# Altium PCB PCB1.PcbDoc (part 3 of 3)
Units mil, origin at the board's own origin, x right, y up, seen from the top; angles counter-clockwise.
Board outline 2125.99 x 1496.06 mil, 6 copper layers (Layer 1, Layer 2, Layer 3, Layer 4, Layer 5, Layer 6), stack 32.112 mil thick; 147 components, 103 nets, 596 pads, 900 vias.
Unrouted connection lines stored in the file: 81.
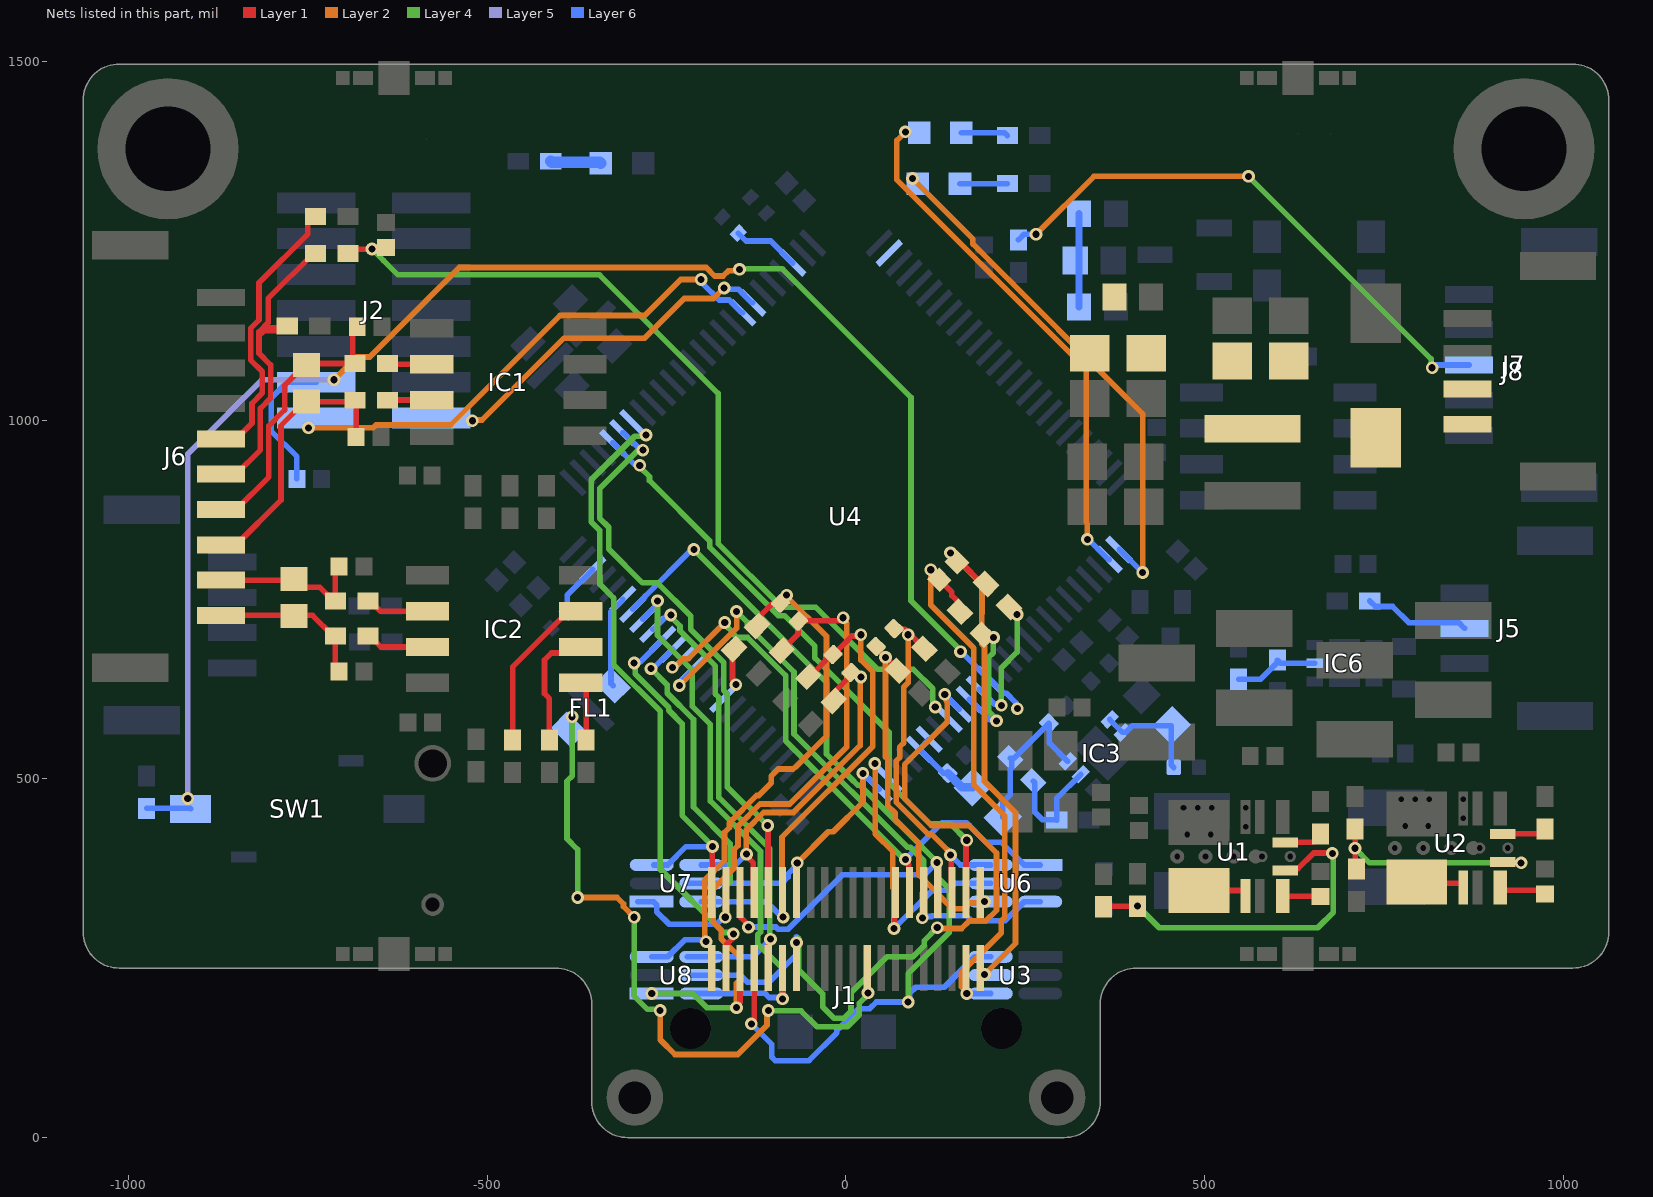
[diagram p7: the nets of this part, all layers, seen from the top]

## Via types
v1: diameter 17.72, hole 11.81, Layer 1 to Layer 6, tented both sides, 337 vias
v2: diameter 11.81, hole 7.87, Layer 1 to Layer 6, tented both sides, 319 vias
v3: diameter 17.72, hole 9.84, Layer 1 to Layer 6, tented both sides, 244 vias

## Nets (pads, with @x,y where several pads share a name; then routed paths per layer and width w, separated by ;. In a path a pad name is that pad's centre, name@x,y a point inside that pad or via, vN(x,y) a via of type N, cw(c..) or ccw(c..) an arc to the next point about the centre after c; other vN are vias at no path point) (continued)
IW-: R32.2 U4.35 | length 52.6
  Layer 1 w7.87: R32.2@-156,681.01 -158.08,678.93 -158.08,638.34 -153.54,633.8 v3(-153.54,631.14)
LED1: D1.1 U4.1 | length 728.3
  Layer 2 w7.87: v3(92.54,1336.63) 176.82,1252.36 176.82,1245.4 413.39,1008.83 v3(413.39,787.4)
  Layer 6 w7.87: U4.1@380.58,819.63 380.87,819.63 413.1,787.4 v3(413.39,787.4)
LED2: D2.1 U4.2 | length 724.7
  Layer 2 w7.87: v3(82.68,1401.57) 70.87,1389.76 70.87,1334.65 334.65,1070.87 334.65,857.28 336.27,855.66 v3(336.27,833.65)
  Layer 6 w7.87: v3(336.27,833.65) 337.92,833.65 365.86,805.71 U4.2@366.66,805.71
NetC1_2: C1.2 J6.8 R1.2 R3.2 | length 383.2
  Layer 1 w7.87: J6.8@-871.32,826.13 -849.67,826.13 -787.4,888.4 -787.4,992.13 -753.94,1025.59 R3.2@-751.97,1025.59 -686.02,1025.59 R1.2@-684.06,1027.56 -682.68,1026.18 C1.2@-682.68,976.38
NetC3_1: C3.1 J6.7 R3.1 R6.2 | length 387.7
  Layer 1 w7.87: J6.7@-871.32,875.35 -849.67,875.35 -804.26,920.75 -804.26,991.97 -782.35,1013.88 -782.35,1048.36 -753.94,1076.77 R3.1@-751.97,1076.77 ; R3.1@-751.97,1078.74 R6.2@-684.06,1078.74 -687.35,1082.03 -687.35,1123.68 C3.1@-681.1,1129.92
NetC4_2: C4.2 J6.10 R7.2 R36.2 | length 223.1
  Layer 1 w7.87: J6.10@-871.32,727.71 -743.46,727.71 -714.57,698.82 R7.2@-711.61,698.82 -711.61,654.92 C4.2@-706.3,649.61
NetC6_1: C6.1 J6.9 R12.2 R36.1 | length 222
  Layer 1 w7.87: J6.9@-871.32,776.92 R36.1@-769.44,776.92 ; R36.1@-769.44,778.18 -758,766.73 -733.27,766.73 -714.57,748.03 R12.2@-711.61,748.03 -711.61,790.31 C6.1@-706.3,795.62
NetC12_2: C12.2 U1.8 | length 48.2
  Layer 1 w7.87: U1.8@608.55,336.55 C12.2@656.75,336.55
NetC18_2: C18.2 U2.8 | length 76.1
  Layer 1 w7.87: U2.8@911.89,348.43 911.89,344.88 C18.2@968.9,344.88 ; C18.2@968.9,344.88 C18.2@974.41,339.37 C18.2@968.9,344.88
NetC24_2: C24.2 U4.73 | length 93.2
  Layer 6 w7.87: C24.2@-150.28,1260.52 -139.15,1249.38 -104.85,1249.38 U4.73@-74.35,1218.88
NetC25_2: C25.2 U4.48 | length 75.7
  Layer 6 w7.87: C25.2@-388.47,732.02 -389.86,733.41 -389.86,738.98 -388.47,740.37 -388.47,756.06 U4.48@-352.74,791.79
NetC37_1: C37.1 R25.1 R26.2 | length 129.9
  Layer 6 w10: R26.2@324.8,1157.48 R25.1@324.8,1287.4
NetC46_1: C46.1 C47.1 R43.2
NetC50_2: C50.2 C51.2 D4.1 J8.1 J8.2 L1.2
NetC52_2: C52.2 FB1.2 IC3.1 IC3.2 | length 157
  Layer 6 w7.87: IC3.1@367.43,582.76 IC3.2@385.53,564.66 389.71,564.66 399.14,574.1 453.25,574.1 453.25,519.21 C52.2@456.69,515.78
NetC53_2: C53.2 FB2.1 IC3.6 R37.1 | length 225.2
  Layer 6 w7.87: FB2.1@218.41,446.47 218.41,467.34 229.06,478 229.06,513.38 231.15,515.47 231.15,526.6 R37.1@229.06,528.69 233.98,528.69 C53.2@282.72,577.43 ; C53.2@283.41,576.73 283.41,549.86 IC3.6@308.97,524.3
NetD1_2: D1.2 R20.2 | length 65.9
  Layer 6 w7.87: D1.2@158.91,1329.39 R20.2@224.85,1329.39
NetD2_2: D2.2 R21.2 | length 65.6
  Layer 6 w7.87: D2.2@160.87,1400.25 220.91,1400.25 R21.2@224.85,1396.31
NetD7_2: D7.2 R22.2 | length 70.6
  Layer 6 w15.75: R22.2@-411.41,1360.59 -410.13,1359.31 -343.11,1359.31 D7.2@-341.83,1358.02
NetIC1_6: IC1.6 R6.1 | length 61.9
  Layer 1 w7.87: R6.1@-638.78,1078.74 -637.96,1077.92 IC1.6@-577.26,1077.92
NetIC1_7: IC1.7 R1.1 | length 61.7
  Layer 1 w7.87: R1.1@-638.78,1027.56 -638.42,1027.92 IC1.7@-577.26,1027.92
NetIC2_1: IC2.1 R8.1 | length 82.6
  Layer 1 w7.87: IC2.1@-369.61,633.66 -362.2,626.26 R8.1@-362.2,554.13
NetIC2_2: IC2.2 R9.1 | length 172.4
  Layer 1 w7.87: R9.1@-413.39,554.13 -413.39,611.87 -420.2,618.68 -420.2,665.59 -410.4,675.39 -395.69,675.39 -387.42,683.66 IC2.2@-369.61,683.66
NetIC2_3: IC2.3 R10.1 | length 229
  Layer 1 w7.87: R10.1@-464.57,554.13 -464.57,655.93 -386.83,733.66 IC2.3@-369.61,733.66
NetIC2_6: IC2.6 R12.1 | length 89.1
  Layer 1 w7.87: R12.1@-666.34,748.03 -663.39,748.03 -649.02,733.66 IC2.6@-583.15,733.66
NetIC2_7: IC2.7 R7.1 | length 89.5
  Layer 1 w7.87: R7.1@-666.34,698.82 -663.39,698.82 -648.23,683.66 IC2.7@-583.15,683.66
NetIC3_5: IC3.5 R37.2 R38.1 | length 157
  Layer 6 w7.87: R37.2@261.08,496.68 263.16,494.59 263.16,453.37 273.62,442.91 292.93,442.91 R38.1@293.57,442.28 293.57,472.71 IC3.5@327.07,506.2
NetIC6_5: IC6.5 R39.2 R44.1 | length 120.5
  Layer 6 w7.87: R39.2@547.24,638.78 577.76,638.78 601.38,662.4 R44.1@601.38,665.35 605.68,661.06 IC6.5@653.26,661.06
NetJ5_2: J5.2 R29.2 | length 148.1
  Layer 6 w7.87: R29.2@729.93,748.02 737.79,740.16 761.81,740.16 784.45,717.52 854.24,717.52 J5.2@862.11,709.65
NetJ6_5: J6.5 R41.2 | length 392.2
  Layer 1 w7.87: J6.5@-871.32,973.77 -849.67,973.77 -827.89,995.56 -827.89,1023.26 -813.59,1037.56 -813.59,1067.45 -829.76,1083.62 -829.76,1127.67 -817.95,1139.49 -817.95,1191.21 -750,1259.17 -750,1275.59 -742.13,1283.46 R41.2@-739.17,1283.46
NetJ6_6: J6.6 R40.2 R?.1 | length 433.3
  Layer 1 w7.87: J6.6@-871.32,924.56 -849.67,924.56 -816.08,958.15 -816.08,1016.1 -801.78,1030.4 -801.78,1076.89 -817.95,1093.06 -817.95,1122.78 -817.34,1123.4 ; -815.94,1122.01 -817.34,1123.4 ; R40.2@-739.17,1232.28 -742.13,1232.28 -805.27,1169.14 -805.27,1135.47 -817.34,1123.4
  Layer 1 w11.81: -815.94,1122.01 -811.17,1126.78 -783.07,1126.78 R?.1@-778.69,1131.15
NetJ7_3: J7.3 R42.2 | length 783.1
  Layer 4 w7.87: v3(561.02,1339.57) 815.42,1085.17 815.42,1074.34 v3(816.93,1072.83)
  Layer 2 w7.87: v3(264.76,1258.86) 345.47,1339.57 v3(561.02,1339.57)
  Layer 6 w7.87: R42.2@240.16,1250.98 248.03,1258.86 v3(264.76,1258.86) ; v3(816.93,1072.83) 819.06,1072.83 823,1076.77 J7.3@868.11,1076.77
NetR13_2: R13.2 R15.1 U1.9 | length 501.2
  Layer 1 w7.87: R15.1@358.61,321.77 359.28,322.43 v3(406.52,322.43) ; U1.9@612.01,371.98 614.96,374.94 630.09,374.94 651.83,396.67 677.18,396.67 v3(677.69,396.16)
  Layer 4 w7.87: v3(406.52,322.43) 436.63,292.32 657.48,292.32 679.17,314.01 679.17,394.69 v3(677.69,396.16)
NetR14_1: R14.1 U1.11 | length 56.1
  Layer 1 w7.87: U1.11@612.01,411.35 649.95,411.35 650.74,412.15 653.7,412.15 661.57,420.02 R14.1@661.57,422.98
NetR16_2: R16.2 R18.1 U2.9 | length 296.2
  Layer 1 w7.87: R16.2@709.48,430.1 v3(709.48,403.19) 709.48,376.28 R18.1@711.27,374.49
  Layer 4 w7.87: v3(709.48,403.19) 729.79,382.87 v3(940.94,382.87)
NetR17_1: R17.1 U2.11 | length 61.9
  Layer 1 w7.87: U2.11@915.35,423.23 967.52,423.23 R17.1@974.41,430.12
NetU1_5: U1.5 U1.6 | length 71.1
  Layer 1 w7.87: U1.5@491.93,344.43 553.94,344.43 556.89,341.47 U1.6@556.89,336.55
NetU2_5: U2.5 U2.6 | length 70
  Layer 1 w7.87: U2.5@795.28,356.3 797.24,354.33 857.28,354.33 860.24,351.38 U2.6@860.24,348.43
OE: J1.07 J1.34 J1.35 U3.6 U4.44 | length 1791.9
  Layer 1 w7.87: J1.35@-147.64,341.54 -146.57,340.47 -146.57,306.67 -135.88,295.97 v3(-135.88,293.31) ; v3(-131.89,158.46) -131.89,161.13 -127.95,165.07 J1.34@-127.95,236.22
  Layer 4 w7.87: v3(-212.09,819.41) -27.09,634.41 -27.09,534.49 6.69,500.71 16.5,490.91 19.96,490.91 126.58,384.28 v3(126.58,383.47) 127.45,382.61 127.45,362.8 143.92,346.33 143.92,285.61 86.61,228.31 v3(86.61,188.98)
  Layer 6 w7.87: U4.44@-297.06,736.11 -297.06,736.91 -279.53,754.44 -279.53,754.96 -216.96,817.53 -213.97,817.53 v3(-212.09,819.41) ; v3(-135.88,293.31) -135.71,293.48 -97.64,293.48 -94.53,290.37 -80.67,290.37 -42.91,328.13 -42.91,328.38 -5.15,366.14 109.25,366.14 v3(126.58,383.47) ; v3(-131.89,158.46) -103.35,129.92 -103.35,111.9 -98.73,107.28 -51.46,107.28 -12.8,145.95 -12.8,149.32 17.41,179.53 32.87,179.53 42.32,188.98 v3(86.61,188.98) 88.43,190.8 88.43,200.64 97.24,209.45 136.85,209.45 179.34,251.94 U3.6@201.7,251.94
P\G\: FL1.1 U4.45 | length 128.1
  Layer 6 w7.87: FL1.1@-324.8,629.92 -327.59,632.71 -327.59,732.63 -310.98,749.24 U4.45@-310.98,750.03
P\G\_S: FL1.3 J1.18 | length 923.1
  Layer 4 w7.87: v3(-381.55,586.45) -381.55,504.04 -388.83,496.75 -388.83,416.47 -374.02,401.66 v3(-374.02,334.65) ; v3(-295.28,307.09) -295.28,197.22 -276.7,178.64 -260.44,178.64 v3(-258.94,177.13) ; v3(-108.27,177.17) -107.68,176.57 -62.54,176.57 -40.49,154.53 1.98,154.53 18.7,171.25 18.7,187.31 30.51,199.12 v3(30.51,201.78)
  Layer 2 w7.87: v3(-374.02,334.65) -318.9,334.65 -310.01,325.76 -310.01,321.82 v3(-295.28,307.09) ; v3(-258.94,177.13) -258.94,136.24 -238.44,115.75 -150.94,115.75 -110.15,156.54 -110.15,175.28 v3(-108.27,177.17)
R\S\T\: C35.2 J2.12 R19.1 SW1.2 U4.14 | length 2438.3
  Layer 4 w7.87: v3(-148.33,1209.93) -147.64,1210.63 -88.58,1210.63 90.55,1031.5 90.55,748.03 159.45,679.13 v3(159.45,677.17)
  Layer 2 w7.87: v3(-713.58,1056.1) -681.89,1087.8 -663.68,1087.8 -538.88,1212.6 -194.84,1212.6 -183.03,1200.79 -171.22,1200.79 -163.96,1208.05 -150.22,1208.05 v3(-148.33,1209.93)
  Layer 5 w7.87: v3(-917.32,472.44) -917.32,952.76 -813.98,1056.1 v3(-713.58,1056.1)
  Layer 6 w7.87: R19.1@-974.65,458.73 -913.93,458.73 SW1.2@-913.28,458.08 ; C35.2@-765.32,918.06 -765.32,949.06 -801.12,984.86 -801.12,1030.25 -778.68,1052.69 J2.12@-738.33,1052.69 ; v3(159.45,677.17) 160.34,677.17 198.83,638.68 200.42,638.68 219.98,619.12 223.48,619.12 236.87,605.74 236.87,599.68 v3(238.75,597.8)
RGB: U4.77
TEMP1: J1.13 U4.24 U6.5 | length 453
  Layer 1 w7.87: v3(66.93,291.34) 67.91,292.32 67.91,340.55 J1.13@68.9,341.54
  Layer 2 w7.87: v3(40.14,521.41) 40.53,521.02 40.53,423.4 65.34,398.59 65.34,348.03 66.93,346.44 v3(66.93,291.34)
  Layer 6 w7.87: v3(66.93,291.34) 120.11,344.52 142.3,344.52 152.11,354.33 U6.5@201.7,354.33
TEMP2: J1.27 U4.25 U7.5 | length 368.3
  Layer 2 w7.87: v3(-67.91,382.87) -24.64,426.15 -17.77,426.15 23.62,467.54 23.62,507.44 v3(23.43,507.64)
  Layer 6 w7.87: U7.5@-221.39,354.33 -89.59,354.33 -80.93,362.99 -80.93,367.19 -67.91,380.21 v3(-67.91,382.87) ; v3(23.43,507.64) 23.93,507.64 46.01,485.56 U4.25@46.51,485.56
TEMP3: J1.28 U4.17 U8.5 | length 1077.9
  Layer 4 w7.87: v3@-66.12,277.34 -66.12,233.88 -32.48,200.24 -32.48,182.05 -16.77,166.34 -2.91,166.34 6.89,176.14 6.89,201.82 57.04,251.97 93.53,251.97 108.82,267.25 108.82,274.17 v3(127.19,292.55)
  Layer 2 w7.87: v3(127.19,292.55) 128.4,291.34 161.13,291.34 171.96,302.17 195.23,302.17 209.65,316.58 209.65,396.69 171.41,434.93 119.17,434.93 81.69,472.4 81.69,519.7 141.13,579.13 141.13,606.92 139.48,608.57 139.48,615.85 v3(137.59,617.73)
  Layer 6 w7.87: U8.5@-221.39,226.35 -147.3,226.35 -137.49,216.54 -107.28,216.54 -68.9,254.92 v3@-68.9,280.12 ; v3(137.59,617.73) 137.59,617.46 157.87,597.19 U4.17@157.87,596.92
  other v3: -68.9,271.65
TEMP4: C44.2 R40.1 U4.18 | length 1240.8
  Layer 1 w7.87: R40.1@-693.9,1232.28 -687.99,1238.19 -643.59,1238.19 C44.2@-641.24,1240.54
  Layer 4 w7.87: v3(-660.43,1238.19) -644.51,1222.26 -624.56,1202.31 -343.43,1202.31 -178.2,1037.08 -178.2,827.76 -89.61,739.17 -42.36,739.17 44.25,652.56 93.94,652.56 120.86,625.63 120.86,606.19 124.39,602.65 v3(124.39,599.99)
U+: C42.2 J1.05 R24.2 U6.6 | length 517
  Layer 1 w7.87: C42.2@67.06,709.35 67.76,708.65 82.07,708.65 R24.2@109.39,681.33 ; v3(145.67,393.7) 146.65,392.72 146.65,342.52 J1.05@147.64,341.54
  Layer 2 w7.87: v3(86.61,700.79) 86.61,633.9 80.36,627.65 80.36,549.82 74.8,544.26 74.8,529.51 69.88,524.59 69.88,467.51 114.27,423.12 119.25,423.12 140.75,401.62 140.75,401.29 145.67,396.36 v3(145.67,393.7)
  Layer 6 w7.87: v3(145.67,393.7) 159.45,379.92 U6.6@201.7,379.92
U-: C42.1 J1.01 R31.2 U6.4 | length 483.6
  Layer 1 w7.87: C42.1@42,684.29 42,682.56 72.11,652.45 R31.2@72.11,650.72
  Layer 2 w7.87: v3(55.12,669.29) 55.12,530.48 58.07,527.53 58.07,462.62 68.55,452.14 68.55,443.33 101.59,410.29 101.59,365.89 148.58,318.9 164.49,318.9 172.45,326.86 191.03,326.86 v3(192.91,328.74)
U_A_IN: J1.11 U4.39 U6.1 | length 844.2
  Layer 1 w7.87: v3(82.68,387.81) 82.68,385.15 87.52,380.31 87.52,342.6 J1.11@88.58,341.54
  Layer 4 w7.87: v3(-168.98,717.85) -168.98,715.19 -156.8,703.01 -156.8,701.46 -152.19,696.85 -137.12,696.85 -84.17,643.9 -84.17,553.06 81.07,387.81 v3(82.68,387.81)
  Layer 2 w7.87: v3(-241.99,655.37) -239.32,655.37 -227.19,667.51 -219.32,667.51 v3(-168.98,717.85)
  Layer 6 w7.87: v3(-241.99,655.37) -238.61,655.37 U4.39@-227.47,666.51 ; v3(82.68,387.81) 83.08,387.81 133.92,438.66 167.68,438.66 194.89,411.45 216.84,411.45 248.37,379.92 U6.1@270.74,379.92
U_B_IN: J1.09 U4.38 U6.3 | length 920.8
  Layer 1 w7.87: v3(106.38,306.22) 108.27,308.11 J1.09@108.27,341.54
  Layer 4 w7.87: v3(-152.69,733.14) -137.3,717.75 -137.3,713.73 -72.36,648.8 -72.36,562.46 85.55,404.55 89.61,404.55 108.27,385.89 108.27,342.71 106.38,340.82 v3(106.38,306.22)
  Layer 2 w7.87: v3(-232.28,629.92) -152.25,709.95 -152.25,732.7 v3(-152.69,733.14)
  Layer 6 w7.87: v3(-232.28,629.92) -230.4,631.8 -230.4,634.95 -213.55,651.8 U4.38@-213.55,652.6 ; v3(106.38,306.22) 108.26,308.11 119.09,308.11 120.26,309.28 167.47,309.28 174.58,302.17 221.79,302.17 248.37,328.74 U6.3@270.74,328.74
U_OC: J1.03 U4.55 | length 856.9
  Layer 1 w7.87: J1.03@167.32,341.54 167.32,413.39 v3(168.31,414.37)
  Layer 4 w7.87: v3(-287.4,936.78) -287.4,934.7 -273.82,921.12 -273.82,915.56 -190.01,831.74 -190.01,822.87 -94.5,727.36 -85.63,727.36 -43.31,685.04 -43.31,668.27 60.04,564.92 60.04,494.05 116.84,437.25 145.43,437.25 v3(168.31,414.37)
  Layer 6 w7.87: U4.55@-324.9,968.33 -295.23,938.66 -289.28,938.66 v3(-287.4,936.78)
USART_RX: J2.13 U4.69 | length 475.5
  Layer 2 w7.87: v3@-520.67,1000 -507.26,1000 -393.08,1114.17 -280.51,1114.17 -225.39,1169.29 -184.57,1169.29 v3(-169.8,1184.06)
  Layer 6 w7.87: v3(-169.8,1184.06) -167.92,1182.17 -149.79,1182.17 -130.83,1163.2 U4.69@-130.03,1163.2
  other v3: -520.67,999.02
USART_TX: J2.14 U4.68 | length 712
  Layer 2 w7.87: v3(-749.02,989.17) -658.9,989.17 -654.96,993.11 -551.18,993.11 -398.62,1145.67 -280.51,1145.67 -230.32,1195.87 v3(-201.77,1195.87)
  Layer 6 w7.87: v3(-201.77,1195.87) -199.89,1193.98 -199.89,1190.48 -176.73,1167.32 -162.78,1167.32 -144.75,1149.29 U4.68@-143.95,1149.29
V+: C41.1 J1.33 R30.1 U7.4 | length 513.7
  Layer 1 w7.87: v3(-138.78,395.04) -138.78,392.38 -129.02,382.61 -129.02,342.6 J1.33@-127.95,341.54 ; R30.1@-17.18,608.52 -17.18,619.65 6.89,643.72 C41.1@6.89,648.13
  Layer 2 w7.87: v3(-138.78,395.04) -138.78,429.03 -114.8,453.01 -73.5,453.01 19.69,546.19 19.69,640.75 v3(20.67,641.73)
  Layer 6 w7.87: U7.4@-201.7,379.92 -153.9,379.92 v3(-138.78,395.04)
V-: C41.2 J1.29 R23.1 U7.6 | length 673.6
  Layer 1 w7.87: R23.1@-52.61,642.09 -50.93,642.09 -19.84,673.18 -17.48,673.18 8.24,698.9 18.79,698.9 v3(20.67,700.79)
  Layer 2 w7.87: v3(-87.6,307.1) -89.21,308.71 -89.21,418.67 37.4,545.28 37.4,648.66 20.67,665.4 v3(20.67,700.79)
  Layer 6 w7.87: U7.6@-201.7,328.74 -110.97,328.74 v3@-88.65,306.42
V_A_IN: J1.39 U4.41 U7.3 | length 511.8
  Layer 1 w7.87: J1.39@-187.01,341.54 -186.52,342.03 -186.52,405.02 v3(-186.02,405.51)
  Layer 4 w7.87: v3(-295.28,661.42) -293.77,659.91 -293.77,646.07 -247.11,599.42 -247.11,595.48 -228.35,576.71 -228.35,448.82 -186.02,406.5 v3(-186.02,405.51)
  Layer 6 w7.87: v3(-295.28,661.42) -293.77,662.92 -286.73,662.92 U4.41@-255.3,694.35 ; U7.3@-268.05,379.92 -248.37,379.92 -222.78,405.51 v3(-186.02,405.51)
V_B_IN: J1.37 U4.40 U7.1 | length 581.4
  Layer 4 w7.87: v3(-271.65,653.54) -249.02,630.91 -249.02,619.24 -212.6,582.82 -212.6,460.63 -161.42,409.45 -161.42,356.63 -168.31,349.74 v3(-168.31,307.09)
  Layer 6 w7.87: U7.1@-290.42,328.74 -268.05,328.74 -263.68,324.36 -263.68,314.55 -246.37,297.24 -180.28,297.24 -170.44,307.09 v3(-168.31,307.09) ; v3(-271.65,653.54) -269.07,653.54 -242.18,680.43 U4.40@-241.39,680.43
V_N_S: C34.1 J1.04 R35.2 U3.4 | length 747.5
  Layer 1 w7.87: C34.1@130.22,777.21 147.48,759.94 147.48,755.27 158.73,744.02 R35.2@158.73,732.89
  Layer 2 w7.87: v3@118.11,787.4 118.11,742.17 177.95,682.33 177.95,491.34 221.46,447.83 221.46,307.07 216.54,302.15 216.54,285.43 160.43,229.33 160.43,210.32 168.32,202.44 v3(168.32,200.8)
  Layer 6 w7.87: v3(168.32,200.8) U3.4@201.68,200.78
  other v3: 118.11,791.34
V_OC: J1.31 U4.56 | length 794.3
  Layer 1 w7.87: v3(-109.18,434.97) -108.72,434.51 -108.72,341.99 J1.31@-108.27,341.54
  Layer 4 w7.87: v3(-283.2,958.02) -285.09,956.14 -291.71,956.14 -343.17,904.68 -343.17,862.96 -330.71,850.5 -330.71,820.25 -283.46,773 -262.54,773 -216.41,726.87 -216.41,708.2 -170.28,662.07 -170.28,622.99 -165.35,618.07 -165.35,488.19 -140.21,463.05 -137.26,463.05 v3(-109.18,434.97)
  Layer 6 w7.87: U4.56@-310.98,982.25 -310.19,982.25 -287.84,959.9 -285.09,959.9 v3(-283.2,958.02)
V_P_S: C34.2 J1.02 R34.2 U3.5 | length 696.5
  Layer 1 w7.87: C34.2@154.72,801.7 159.88,801.7 190.04,771.54 R34.2@195.2,771.54
  Layer 2 w7.87: v3(145.67,814.96) 189.62,771.01 189.62,730.8 188.99,730.16 188.99,687.99 192.91,684.07 192.91,496.64 236.22,453.33 236.22,270.67 v3(192.91,227.36)
V_SENSE_N: R35.1 U4.16 | length 173.8
  Layer 4 w7.87: v3(205.72,696.88) 205.27,696.43 205.27,675.25 198.82,668.81 198.82,594.24 209.66,583.4 v3(209.66,580.74)
  Layer 6 w7.87: U4.16@171.79,610.84 200.01,582.62 207.77,582.62 v3(209.66,580.74)
V_SENSE_P: R34.1 U4.15 | length 175.7
  Layer 4 w7.87: v3(216.55,602.39) 216.55,654.8 238.51,676.76 v3(238.51,728.88)
  Layer 6 w7.87: U4.15@185.71,624.76 186.5,624.76 206.99,604.27 214.66,604.27 v3(216.55,602.39)
VDDA: C54.2 FB2.2 U4.20 U4.21 | length 116.1
  Layer 6 w7.87: U4.20@116.11,555.16 U4.21@102.19,541.24 135.56,507.87 C54.2@141.73,507.87
  Layer 6 w11.81: C54.2@141.73,507.87 161.38,488.22 FB2.2@176.65,488.22
W+: C43.1 J1.36 R33.1 U8.1 | length 962.4
  Layer 1 w7.87: v3(-152.56,181.1) -152.56,183.77 -147.75,188.57 -147.75,236.11 J1.36@-147.64,236.22 ; R33.1@-89.67,678.71 -66.91,701.47 -66.91,719.06 C43.1@-66.21,719.76 -65.52,720.45 -10.56,720.45 -6.6,724.41 v3(-3.94,724.41)
  Layer 4 w7.87: v3(-270.74,200.76) -213.62,200.76 -193.97,181.1 v3(-152.56,181.1)
  Layer 2 w7.87: v3(-152.56,181.1) -152.56,215.04 -147.87,219.73 -147.87,251.01 -173.8,276.94 -173.8,288.92 -185.04,300.16 -185.04,346.46 -155.51,375.98 -155.51,401.97 -150.59,406.89 -150.59,433.93 -119.69,464.82 -78.39,464.82 0.98,544.2 0.98,716.82 -3.94,721.75 v3(-3.94,724.41)
W-: C43.2 J1.40 R32.1 U8.3 | length 725
  Layer 1 w7.87: R32.1@-123.98,713.03 -123.98,722.54 -102.4,744.11 -91.96,744.11 C43.2@-91.27,744.81
  Layer 2 w7.87: v3(-194.88,273.05) -196.77,274.93 -196.77,297.57 -196.85,297.66 -196.85,358.66 -169.29,386.22 -169.29,425.2 -162.4,432.09 -162.4,438.82 -124.59,476.63 -121.61,476.63 -104.19,494.05 -104.19,503.84 -94.39,513.64 -74.59,513.64 -74.35,513.4 ; v3(-82.68,755.91) -82.68,754.25 -27.09,698.66 -27.09,559.53 -70.73,515.88
  Layer 6 w7.87: U8.3@-270.74,251.94 -248.37,251.94 -224.72,275.59 -203.74,275.59 -203.08,274.93 -196.77,274.93 v3(-194.88,273.05)
W_A_IN: J1.30 U4.43 U8.6 | length 843.5
  Layer 1 w7.87: v3(-88.58,193.31) J1.30@-88.58,236.22
  Layer 4 w7.87: v3(-262.8,748.03) -262.8,699.84 -214.07,651.12 -214.07,601 -188.98,575.9 -188.98,468.9 -119.15,399.07 -119.15,286.38 -122.92,282.6 -122.92,269.82 -88.58,235.48 v3(-88.58,193.31)
  Layer 6 w7.87: U4.43@-283.14,722.19 -283.14,722.99 -264.68,741.45 -264.68,746.15 v3(-262.8,748.03) ; U8.6@-221.39,200.76 -158.59,200.76 -158.05,201.3 -113.19,201.3 -107.08,195.19 -90.47,195.19 v3(-88.58,193.31)
W_B_IN: J1.32 U4.42 U8.4 | length 710.6
  Layer 1 w7.87: J1.32@-108.27,236.22 -107.2,237.28 -107.2,271.99 -105.3,273.9 v3(-105.3,276.56)
  Layer 4 w7.87: v3(-244.09,728.35) -244.09,725.68 -231.27,712.86 -231.27,706.37 -182.09,657.18 -182.09,618.1 -177.17,613.18 -177.17,473.79 -106.3,402.93 -106.3,277.57 v3(-105.3,276.56)
  Layer 6 w7.87: U4.42@-269.22,708.27 -268.43,708.27 -250.24,726.46 -245.98,726.46 v3(-244.09,728.35) ; U8.4@-221.39,251.94 -129.95,251.94 v3@-105.33,276.56
W_OC: J1.38 U4.57 | length 875.7
  Layer 1 w7.87: J1.38@-167.32,236.22 -166.26,237.28 -166.26,269.45 -158.95,276.76 -158.95,281.99 v3(-157.07,283.87)
  Layer 4 w7.87: v3(-278.72,979.2) -280.61,977.32 -294.37,977.32 -354.98,916.72 -354.98,858.06 -343.17,846.25 -343.17,771.37 -323.82,752.02 -323.82,659.42 -258.93,594.53 -258.93,374.04 -170.64,285.76 -158.95,285.76 v3(-157.07,283.87)
pads on no net: IC3.4 IC6.4 J1.None J2.1 J2.2 J2.9 J2.10 U1.1 U1.7 U2.1 U2.7 U4.3 U4.4 U4.5 U4.7 U4.8 U4.9 U4.37 U4.46 U4.47 U4.51 U4.54 U4.58 U4.59 U4.60 U4.61 U4.62 U4.63 U4.64 U4.65 U4.66 U4.67 U4.70 U4.71 U4.78 U4.79 U4.80 U4.81 U4.82 U4.83 U4.84 U4.85 U4.86 U4.87 U4.88 U4.90 U4.91 U4.97

## Polygon pours and split planes (outlines as drawn)
GND on Layer 1 "NONET_L-01_P-001" (solid, pour order 50): -1102.36,1574.8 -1102.36,-78.74 1062.99,-78.74 1102.36,-118.11 1102.36,1574.8
CHASSIS on Layer 1 "NONET_L-01_P-001" (solid, pour order 45): -984.25,1456.69 -787.4,1456.69 -787.4,1496.06 -1062.99,1496.06 -1062.99,236.22 -404.33,236.22 cw(c-404.33,186.22) -354.33,186.22 -354.33,0 354.33,0 354.33,186.22 cw(c404.33,186.22) 404.33,236.22 1062.99,236.22 1062.99,1337.47 1062.99,1338.58 1062.99,1496.06 -787.4,1496.06 -787.4,1456.69 984.25,1456.69 cw(c984.25,1417.32) 1023.62,1417.32 1023.62,1338.58 1023.62,314.96 cw(c984.26,314.96) 984.25,275.59 393.7,275.59 ccw(c393.7,196.85) 314.96,196.85 314.96,39.37 -308.3,39.37 -308.3,190.19 ccw(c-393.7,190.19) -393.7,275.59 -984.25,275.59 cw(c-984.26,314.96) -1023.62,314.96 -1023.62,1417.32 cw(c-984.25,1417.32)
NetC46_1 on Layer 1 "NONET_L-01_P-001" (solid, pour order 7): 452.76,1082.68 295.28,1082.68 295.28,1200.79 393.7,1200.79 393.7,1141.73 413.39,1122.05 452.76,1122.05
GND on Layer 1 "NONET_L-01_P-001" (solid, pour order 0): 925.2,1200.79 925.2,1082.68 688.98,1082.68 688.98,1200.79
NetC50_2 on Layer 1 "NONET_L-01_P-001" (solid, pour order 1): 905.51,1062.99 905.51,944.88 688.98,944.88 688.98,1062.99
GND on Layer 1 "NONET_L-01_P-001" (solid, pour order 4): 455.71,1138.78 462.6,1131.89 472.44,1122.05 688.98,1122.05 688.98,1200.79 408.46,1200.79 408.46,1146.65 416.34,1138.78
NetC50_2 on Layer 1 "NONET_L-01_P-001" (solid, pour order 5): 665.38,968.48 688.98,944.88 688.98,1062.99 649.61,1102.36 492.13,1102.36 492.13,968.48
+24V on Layer 1 "NONET_L-01_P-001" (solid, pour order 6): 295.28,1043.31 452.76,1043.31 452.76,964.57 472.44,964.57 511.81,925.2 649.61,925.2 649.61,807.09 472.44,807.09 472.44,874.02 421.26,925.2 295.28,925.2
12V on Layer 1 "NONET_L-01_P-001" (solid, pour order 14): 531.5,541.34 499.48,573.35 377.16,573.35 377.16,481.59 446.85,411.9 531.5,411.9
+5V on Layer 1 "NONET_L-01_P-001" (solid, pour order 20): 813.78,538.78 768.68,583.89 659.45,583.89 659.45,492.13 729.14,422.44 813.78,422.44
+24V on Layer 1 "NONET_L-01_P-001" (solid, pour order 37): 899.61,635.83 903.05,632.38 903.05,579.33 887.7,563.98 809.62,563.98 793.31,580.29 793.31,635.83
+24V on Layer 1 "NONET_L-01_P-001" (solid, pour order 39): 627.18,626.1 627.18,573.05 611.83,557.69 533.75,557.69 517.44,574.01 517.44,626.1
12V on Layer 1 "NONET_L-01_P-001" (solid, pour order 52): 73.82,268.7 73.82,204.72 44.21,204.72 44.21,268.11
GND on Layer 3 "NONET_L-01_P-001" (solid, pour order 47): -1102.36,1574.8 -1102.36,-78.74 1062.99,-78.74 1102.36,-118.11 1102.36,1574.8
3V on Layer 3 "NONET_L-01_P-001" (solid, pour order 36): 610.24,649.61 610.24,620.08 521.65,620.08 521.65,649.61
+24V on Layer 3 "NONET_L-01_P-001" (solid, pour order 34): 511.81,748.03 600.39,659.45 620.08,659.45 620.08,620.08 595.47,595.47 511.81,595.47 511.81,576.21 527,561.02 757.87,561.02 752.95,565.94 752.95,595.47 733.27,595.47 668.31,660.43 668.31,856.3 472.44,856.3 472.44,787.4
+24V on Layer 3 "NONET_L-01_P-001" (solid, pour order 12): 616.14,550.62 624.02,558.49 624.02,600.39 511.81,600.39 511.81,576.21 533.46,554.56 547.24,540.78 547.24,427.45 550.06,424.64 583.52,424.64 583.52,541.4 592.75,550.62
+24V on Layer 3 "NONET_L-01_P-001" (solid, pour order 22): 846.46,492.13 580.71,492.13 580.71,600.39 585.63,595.47 752.95,595.47 787.4,629.92 787.4,639.76 905.51,639.76 905.51,501.97 885.83,482.28 885.83,433.07 846.46,433.07
CHASSIS on Layer 3 "NONET_L-01_P-001" (solid, pour order 40): -984.25,1456.69 -787.4,1456.69 -787.4,1496.06 -1062.99,1496.06 -1062.99,236.22 -404.33,236.22 cw(c-404.33,186.22) -354.33,186.22 -354.33,0 354.33,0 354.33,186.22 cw(c404.33,186.22) 404.33,236.22 1062.99,236.22 1062.99,1337.47 1062.99,1338.58 1062.99,1496.06 -787.4,1496.06 -787.4,1456.69 984.25,1456.69 cw(c984.25,1417.32) 1023.62,1417.32 1023.62,1338.58 1023.62,314.96 cw(c984.26,314.96) 984.25,275.59 393.7,275.59 ccw(c393.7,196.85) 314.96,196.85 314.96,39.37 -308.3,39.37 -308.3,190.19 ccw(c-393.7,190.19) -393.7,275.59 -984.25,275.59 cw(c-984.26,314.96) -1023.62,314.96 -1023.62,1417.32 cw(c-984.25,1417.32)
GND on Layer 6 "NONET_L-01_P-001" (solid, pour order 49): -1102.36,1574.8 -1102.36,-78.74 1062.99,-78.74 1102.36,-118.11 1102.36,1574.8
3V on Layer 6 "NONET_L-01_P-001" (solid, pour order 16): 620.08,639.76 521.65,639.76 521.65,600.39 620.08,600.39
CHASSIS on Layer 6 "NONET_L-01_P-001" (solid, pour order 33): -984.25,1456.69 -787.4,1456.69 -787.4,1496.06 -1062.99,1496.06 -1062.99,236.22 -404.33,236.22 cw(c-404.33,186.22) -354.33,186.22 -354.33,0 354.33,0 354.33,186.22 cw(c404.33,186.22) 404.33,236.22 1062.99,236.22 1062.99,1337.47 1062.99,1338.58 1062.99,1496.06 -787.4,1496.06 -787.4,1456.69 984.25,1456.69 cw(c984.25,1417.32) 1023.62,1417.32 1023.62,1338.58 1023.62,314.96 cw(c984.26,314.96) 984.25,275.59 393.7,275.59 ccw(c393.7,196.85) 314.96,196.85 314.96,39.37 -308.3,39.37 -308.3,190.19 ccw(c-393.7,190.19) -393.7,275.59 -984.25,275.59 cw(c-984.26,314.96) -1023.62,314.96 -1023.62,1417.32 cw(c-984.25,1417.32)
GND on Layer 5 "NONET_L-01_P-001" (solid, pour order 48): -1102.36,1574.8 -1102.36,-78.74 1062.99,-78.74 1102.36,-118.11 1102.36,1574.8
CHASSIS on Layer 5 "NONET_L-01_P-001" (solid, pour order 44): -984.25,1456.69 -787.4,1456.69 -787.4,1496.06 -1062.99,1496.06 -1062.99,236.22 -404.33,236.22 cw(c-404.33,186.22) -354.33,186.22 -354.33,0 354.33,0 354.33,186.22 cw(c404.33,186.22) 404.33,236.22 1062.99,236.22 1062.99,1337.47 1062.99,1338.58 1062.99,1496.06 -787.4,1496.06 -787.4,1456.69 984.25,1456.69 cw(c984.25,1417.32) 1023.62,1417.32 1023.62,1338.58 1023.62,314.96 cw(c984.26,314.96) 984.25,275.59 393.7,275.59 ccw(c393.7,196.85) 314.96,196.85 314.96,39.37 -308.3,39.37 -308.3,190.19 ccw(c-393.7,190.19) -393.7,275.59 -984.25,275.59 cw(c-984.26,314.96) -1023.62,314.96 -1023.62,1417.32 cw(c-984.25,1417.32)
CHASSIS on Top Solder "NONET_L-01_P-001" (solid, pour order 32): -984.25,1456.69 -787.4,1456.69 -787.4,1496.06 -1062.99,1496.06 -1062.99,236.22 -404.33,236.22 cw(c-404.33,186.22) -354.33,186.22 -354.33,0 354.33,0 354.33,186.22 cw(c404.33,186.22) 404.33,236.22 1062.99,236.22 1062.99,1337.47 1062.99,1338.58 1062.99,1496.06 -787.4,1496.06 -787.4,1456.69 984.25,1456.69 cw(c984.25,1417.32) 1023.62,1417.32 1023.62,1338.58 1023.62,314.96 cw(c984.26,314.96) 984.25,275.59 393.7,275.59 ccw(c393.7,196.85) 314.96,196.85 314.96,39.37 -308.3,39.37 -308.3,190.19 ccw(c-393.7,190.19) -393.7,275.59 -984.25,275.59 cw(c-984.26,314.96) -1023.62,314.96 -1023.62,1417.32 cw(c-984.25,1417.32)
GND on Layer 2 "NONET_L-01_P-001" (solid, pour order 51): -1102.36,1574.8 -1102.36,-78.74 1062.99,-78.74 1102.36,-118.11 1102.36,1574.8
CHASSIS on Layer 2 "NONET_L-01_P-001" (solid, pour order 30): -984.25,1456.69 -787.4,1456.69 -787.4,1496.06 -1062.99,1496.06 -1062.99,236.22 -404.33,236.22 cw(c-404.33,186.22) -354.33,186.22 -354.33,0 354.33,0 354.33,186.22 cw(c404.33,186.22) 404.33,236.22 1062.99,236.22 1062.99,1337.47 1062.99,1338.58 1062.99,1496.06 -787.4,1496.06 -787.4,1456.69 984.25,1456.69 cw(c984.25,1417.32) 1023.62,1417.32 1023.62,1338.58 1023.62,314.96 cw(c984.26,314.96) 984.25,275.59 393.7,275.59 ccw(c393.7,196.85) 314.96,196.85 314.96,39.37 -308.3,39.37 -308.3,190.19 ccw(c-393.7,190.19) -393.7,275.59 -984.25,275.59 cw(c-984.26,314.96) -1023.62,314.96 -1023.62,1417.32 cw(c-984.25,1417.32)
GND on Layer 4 "NONET_L-01_P-001" (solid, pour order 46): -1102.36,1574.8 -1102.36,-78.74 1062.99,-78.74 1102.36,-118.11 1102.36,1574.8
CHASSIS on Layer 4 "NONET_L-01_P-001" (solid, pour order 42): -984.25,1456.69 -787.4,1456.69 -787.4,1496.06 -1062.99,1496.06 -1062.99,236.22 -404.33,236.22 cw(c-404.33,186.22) -354.33,186.22 -354.33,0 354.33,0 354.33,186.22 cw(c404.33,186.22) 404.33,236.22 1062.99,236.22 1062.99,1337.47 1062.99,1338.58 1062.99,1496.06 -787.4,1496.06 -787.4,1456.69 984.25,1456.69 cw(c984.25,1417.32) 1023.62,1417.32 1023.62,1338.58 1023.62,314.96 cw(c984.26,314.96) 984.25,275.59 393.7,275.59 ccw(c393.7,196.85) 314.96,196.85 314.96,39.37 -308.3,39.37 -308.3,190.19 ccw(c-393.7,190.19) -393.7,275.59 -984.25,275.59 cw(c-984.25,314.96) -1023.62,314.96 -1023.62,1417.32 cw(c-984.25,1417.32)
no net on Bottom Solder "NONET_L-01_P-001" (solid): -984.25,1456.69 -787.4,1456.69 -787.4,1496.06 -1062.99,1496.06 -1062.99,236.22 -404.33,236.22 cw(c-404.33,186.22) -354.33,186.22 -354.33,0 354.33,0 354.33,186.22 cw(c404.33,186.22) 404.33,236.22 1062.99,236.22 1062.99,1337.47 1062.99,1338.58 1062.99,1496.06 -787.4,1496.06 -787.4,1456.69 984.25,1456.69 cw(c984.25,1417.32) 1023.62,1417.32 1023.62,1338.58 1023.62,314.96 cw(c984.25,314.96) 984.25,275.59 393.7,275.59 ccw(c393.7,196.85) 314.96,196.85 314.96,39.37 -308.3,39.37 -308.3,190.19 ccw(c-393.7,190.2) -393.7,275.59 -984.25,275.59 cw(c-984.26,314.96) -1023.62,314.96 -1023.62,1417.32 cw(c-984.25,1417.32)

## Silkscreen, mask and mechanical layers (free items; w line width, h text height)
Top Overlay:
  region: -198.82,1203.74 194.88,1203.74 194.88,1125 -198.82,1125
  text "HV INV LOGI / OCT 2025" at -256.28,1236.6 h78.74
  text "POWER" at 531.95,1196.63 h78.74
  text "166-009 REV C" at -188.4,965.09 h78.74
  text "NTC" at -610.86,480.99 h59.06 r270
  text "RS485" at -915.8,402.11 h78.74
Bottom Overlay:
  lines w10: -282.7,156.69 -258.94,156.69
  text "POWER" at -319.96,1269.84 h31.5
  text "CAN" at 827.38,1136.14 h78.74 r90
  text "SWD" at -514.25,877.43 h78.74
  text "I2C" at -783.21,603.28 h78.74 r270
  text "ADC" at 978.61,512.65 h78.74 r90
  text "CLK" at -435.2,504.09 h31.5
  text "LIONG MA" at 157.64,245.13 h78.74
Mechanical 1:
  lines w10: -1062.99,286.22 ccw(c-1012.99,286.22) -1012.99,236.22 -404.33,236.22 cw(c-404.33,186.22) -354.33,186.22 -354.33,50 ccw(c-304.33,50) -304.33,0 0,0 304.33,0 ccw(c304.33,50) 354.33,50 354.33,186.22 cw(c404.33,186.22) 404.33,236.22 1012.99,236.22 ccw(c1012.99,286.22) 1062.99,286.22 1062.99,1336.94 1062.99,1446.06 ccw(c1012.99,1446.06) 1012.99,1496.06 -1012.99,1496.06 ccw(c-1012.99,1446.06) -1062.99,1446.06 -1062.99,1350.18 -1062.99,286.22

## Text inside footprints (layer, text, board x,y; h text height)
J1: Mechanical 4 "PCB EDGE" at -18.76,-253.01 h73.82; Mechanical 4 "PCB EDGE" at -0.06,-108.33 h73.82
U4: Mechanical 13 "*" at 352.18,826.59 h50 r315